# KiCad board virgo-keyboard-test.kicad_pcb (continued)
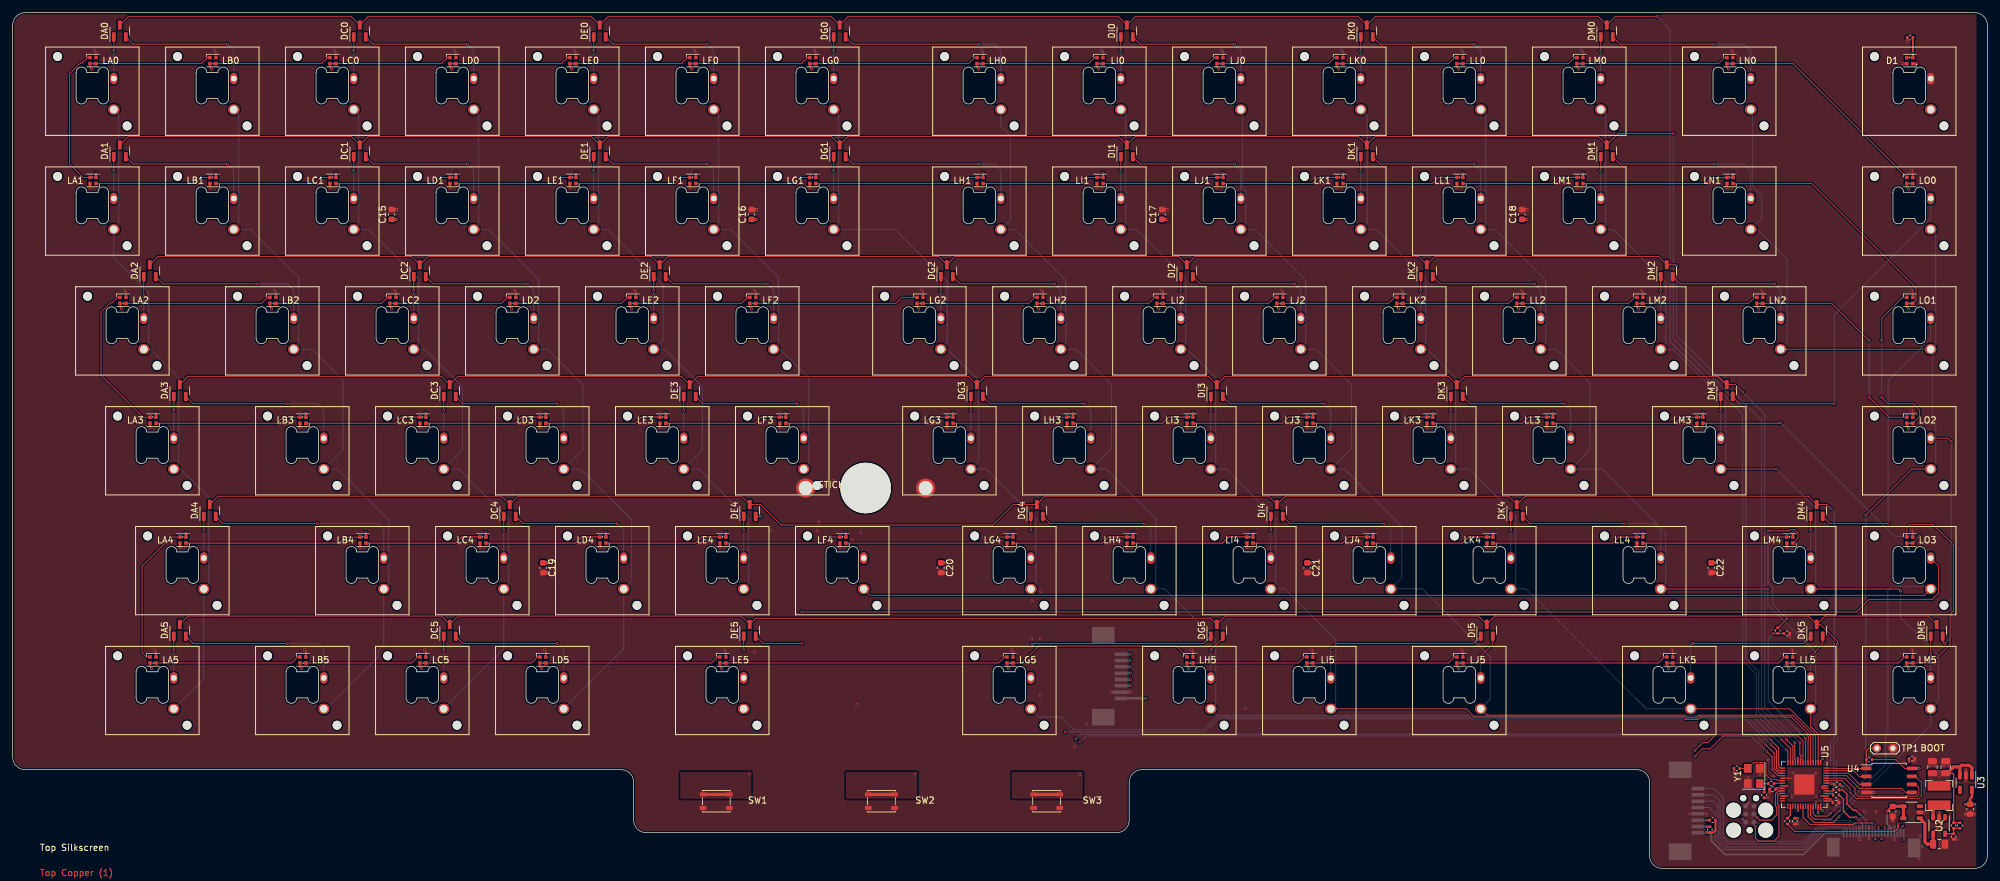
[diagram p0: board, top side]
## Nets
+3V3: C1.1 C2.1 C3.1 C14.1 J1.1 R4.1 U3.5 U4.8 U5.1 U5.10 U5.22 U5.26 U5.33 U5.42 U5.43 U5.44 U5.48 U5.49
+3V6: C11.1 C12.1 C13.1 C15.1 C16.1 C17.1 C18.1 C19.1 C20.1 C21.1 C22.1 L1.2 LA0.2 LA1.2 LA2.2 LA3.2 LA4.2 LA5.2 LB0.2 LB1.2 LB2.2 LB3.2 LB4.2 LB5.2 LC0.2 LC1.2 LC2.2 LC3.2 LC4.2 LC5.2 LD0.2 LD1.2 LD2.2 LD3.2 LD4.2 LD5.2 LE0.2 LE1.2 LE2.2 LE3.2 LE4.2 LE5.2 LF0.2 LF1.2 LF2.2 LF3.2 LF4.2 LG0.2 LG1.2 LG2.2 LG3.2 LG4.2 LG5.2 LH0.2 LH1.2 LH2.2 LH3.2 LH4.2 LH5.2 LI0.2 LI1.2 LI2.2 LI3.2 LI4.2 LI5.2 LJ0.2 LJ1.2 LJ2.2 LJ3.2 LJ4.2 LJ5.2 LK0.2 LK1.2 LK2.2 LK3.2 LK4.2 LK5.2 LL0.2 LL1.2 LL2.2 LL3.2 LL4.2 LL5.2 LM0.2 LM1.2 LM2.2 LM3.2 LM4.2 LM5.2 LN0.2 LN1.2 LN2.2 LO0.2 LO1.2 LO2.2 LO3.2 R1.1 U3.1 U3.3
GND: C1.2 C2.2 C3.2 C4.1 C5.1 C6.2 C7.2 C8.1 C9.2 C10.2 C12.2 C13.2 C14.2 C15.2 C16.2 C17.2 C18.2 C19.2 C20.2 C21.2 C22.2 D1.4 J1.5 J2.4 J2.12 J2.15 J2.MP J3.2 J3.MP J4.4 J4.MP LA0.4 LA1.4 LA2.4 LA3.4 LA4.4 LA5.4 LB0.4 LB1.4 LB2.4 LB3.4 LB4.4 LB5.4 LC0.4 LC1.4 LC2.4 LC3.4 LC4.4 LC5.4 LD0.4 LD1.4 LD2.4 LD3.4 LD4.4 LD5.4 LE0.4 LE1.4 LE2.4 LE3.4 LE4.4 LE5.4 LF0.4 LF1.4 LF2.4 LF3.4 LF4.4 LG0.4 LG1.4 LG2.4 LG3.4 LG4.4 LG5.4 LH0.4 LH1.4 LH2.4 LH3.4 LH4.4 LH5.4 LI0.4 LI1.4 LI2.4 LI3.4 LI4.4 LI5.4 LJ0.4 LJ1.4 LJ2.4 LJ3.4 LJ4.4 LJ5.4 LK0.4 LK1.4 LK2.4 LK3.4 LK4.4 LK5.4 LL0.4 LL1.4 LL2.4 LL3.4 LL4.4 LL5.4 LM0.4 LM1.4 LM2.4 LM3.4 LM4.4 LM5.4 LN0.4 LN1.4 LN2.4 LO0.4 LO1.4 LO2.4 LO3.4 R2.2 R10.2 STICK1.1 SW1.1 SW2.1 SW3.1 SWPWR1.2 TP1.1 U1.2 U2.2 U3.2 U4.4 U5.19 U5.57 Y1.2 Y1.4
VBUS: C9.1 J2.5 J2.6 U1.4 U1.5
VCC: C10.1 U1.1 U2.1 U2.4
/D+: J2.13 R5.1
/D-: J2.14 R6.1
/DR+: R5.2 U5.47
/DR-: R6.2 U5.46
/GPIO23: J2.11 U5.35
/LEFT: J3.3 SW1.2
/MIDDLE: J3.4 SW2.2
/PLED_DIN: D1.1 J2.2
/PLED_VDD: C8.2 D1.2 J2.1
/power/FB3V6: C11.2 R1.2 R2.1 U2.5
/power/SW3V6: L1.1 U2.3
/PS2_5V: J2.10 J3.8
/PS2_CLK: J2.7 J3.1
/PS2_DATA: J2.9 J3.7
/PS2_RST: J2.8 J3.6
/QD0: U4.5 U5.53
/QD1: U4.2 U5.55
/QD2: U4.3 U5.54
/QD3: U4.7 U5.51
/QSCK: U4.6 U5.52
/RIGHT: J3.5 SW3.2
/SWCLK: J1.4 U5.24
/SWDIO: J1.2 U5.25
/TP_3V3: J2.20 J4.1 R8.1 R9.1
/TP_INT: J2.17 J4.7
/TP_LID: J2.16 J4.8
/TP_PS2CLK: J4.2 R8.2
/TP_PS2DAT: J4.3 R9.2
/TP_SCL: J2.18 J4.6
/TP_SDA: J2.19 J4.5
/VCORE: C4.2 C5.2 U5.23 U5.45 U5.50
/XIN: C6.1 U5.20 Y1.3
/XOUT: C7.1 R3.2 Y1.1
/XOUT1: R3.1 U5.21
/~{POWER}: J2.3 R7.2 SWPWR1.1
/~{QCS}: R4.2 TP1.2 U4.1 U5.56
COLA: SWA0.1 SWA1.1 SWA2.1 SWA3.1 SWA4.1 SWA5.1 U5.8
COLB: SWB0.1 SWB1.1 SWB2.1 SWB3.1 SWB4.1 SWB5.1 U5.6
COLC: SWC0.1 SWC1.1 SWC2.1 SWC3.1 SWC4.1 SWC5.1 U5.18
COLD: SWD0.1 SWD1.1 SWD2.1 SWD3.1 SWD4.1 SWD5.1 U5.17
COLE: SWE0.1 SWE1.1 SWE2.1 SWE3.1 SWE4.1 SWE5.1 U5.16
COLF: SWF0.1 SWF1.1 SWF2.1 SWF3.1 SWF4.1 SWF5.1 U5.38
COLG: SWG0.1 SWG1.1 SWG2.1 SWG3.1 SWG4.1 SWG5.1 U5.15
COLH: SWH0.1 SWH1.1 SWH2.1 SWH3.1 SWH4.1 SWH5.1 U5.14
COLI: SWI0.1 SWI1.1 SWI2.1 SWI3.1 SWI4.1 SWI5.1 U5.5
COLJ: SWJ0.1 SWJ1.1 SWJ2.1 SWJ3.1 SWJ4.1 SWJ5.1 U5.4
COLK: SWK0.1 SWK1.1 SWK2.1 SWK3.1 SWK4.1 SWK5.1 U5.3
COLL: SWL0.1 SWL1.1 SWL2.1 SWL3.1 SWL4.1 SWL5.1 U5.2
COLM: SWM0.1 SWM1.1 SWM2.1 SWM3.1 SWM4.1 SWM5.1 U5.37
COLN: SWN0.1 SWN1.1 SWN2.1 SWN3.1 SWN4.1 SWN5.1 U5.39
LED: R10.1 R27.2 U5.7
ROW0: DA0.3 DC0.3 DE0.3 DG0.3 DI0.3 DK0.3 DM0.3 U5.13
ROW1: DA1.3 DC1.3 DE1.3 DG1.3 DI1.3 DK1.3 DM1.3 U5.12
ROW2: DA2.3 DC2.3 DE2.3 DG2.3 DI2.3 DK2.3 DM2.3 U5.11
ROW3: DA3.3 DC3.3 DE3.3 DG3.3 DI3.3 DK3.3 DM3.3 U5.9
ROW4: DA4.3 DC4.3 DE4.3 DG4.3 DI4.3 DK4.3 DM4.3 U5.40
ROW5: DA5.3 DC5.3 DE5.3 DG5.3 DI5.3 DK5.3 DM5.3 U5.41
Net-(DA0-A-Pad1): DA0.1 SWA0.2
Net-(DA0-A-Pad2): DA0.2 SWB0.2
Net-(DA1-A-Pad1): DA1.1 SWA1.2
Net-(DA1-A-Pad2): DA1.2 SWB1.2
Net-(DA2-A-Pad1): DA2.1 SWA2.2
Net-(DA2-A-Pad2): DA2.2 SWB2.2
Net-(DA3-A-Pad1): DA3.1 SWA3.2
Net-(DA3-A-Pad2): DA3.2 SWB3.2
Net-(DA4-A-Pad1): DA4.1 SWA4.2
Net-(DA4-A-Pad2): DA4.2 SWB4.2
Net-(DA5-A-Pad1): DA5.1 SWA5.2
Net-(DA5-A-Pad2): DA5.2 SWB5.2
Net-(DC0-A-Pad1): DC0.1 SWC0.2
Net-(DC0-A-Pad2): DC0.2 SWD0.2
Net-(DC1-A-Pad1): DC1.1 SWC1.2
Net-(DC1-A-Pad2): DC1.2 SWD1.2
Net-(DC2-A-Pad1): DC2.1 SWC2.2
Net-(DC2-A-Pad2): DC2.2 SWD2.2
Net-(DC3-A-Pad1): DC3.1 SWC3.2
Net-(DC3-A-Pad2): DC3.2 SWD3.2
Net-(DC4-A-Pad1): DC4.1 SWC4.2
Net-(DC4-A-Pad2): DC4.2 SWD4.2
Net-(DC5-A-Pad1): DC5.1 SWC5.2
Net-(DC5-A-Pad2): DC5.2 SWD5.2
Net-(DE0-A-Pad1): DE0.1 SWE0.2
Net-(DE0-A-Pad2): DE0.2 SWF0.2
Net-(DE1-A-Pad1): DE1.1 SWE1.2
Net-(DE1-A-Pad2): DE1.2 SWF1.2
Net-(DE2-A-Pad1): DE2.1 SWE2.2
Net-(DE2-A-Pad2): DE2.2 SWF2.2
Net-(DE3-A-Pad1): DE3.1 SWE3.2
Net-(DE3-A-Pad2): DE3.2 SWF3.2
Net-(DE4-A-Pad1): DE4.1 SWE4.2
Net-(DE4-A-Pad2): DE4.2 SWF4.2
Net-(DE5-A-Pad1): DE5.1 SWE5.2
Net-(DE5-A-Pad2): DE5.2 SWF5.2
Net-(DG0-A-Pad1): DG0.1 SWG0.2
Net-(DG0-A-Pad2): DG0.2 SWH0.2
Net-(DG1-A-Pad1): DG1.1 SWG1.2
Net-(DG1-A-Pad2): DG1.2 SWH1.2
Net-(DG2-A-Pad1): DG2.1 SWG2.2
Net-(DG2-A-Pad2): DG2.2 SWH2.2
Net-(DG3-A-Pad1): DG3.1 SWG3.2
Net-(DG3-A-Pad2): DG3.2 SWH3.2
Net-(DG4-A-Pad1): DG4.1 SWG4.2
Net-(DG4-A-Pad2): DG4.2 SWH4.2
Net-(DG5-A-Pad1): DG5.1 SWG5.2
Net-(DG5-A-Pad2): DG5.2 SWH5.2
Net-(DI0-A-Pad1): DI0.1 SWI0.2
Net-(DI0-A-Pad2): DI0.2 SWJ0.2
Net-(DI1-A-Pad1): DI1.1 SWI1.2
Net-(DI1-A-Pad2): DI1.2 SWJ1.2
Net-(DI2-A-Pad1): DI2.1 SWI2.2
Net-(DI2-A-Pad2): DI2.2 SWJ2.2
Net-(DI3-A-Pad1): DI3.1 SWI3.2
Net-(DI3-A-Pad2): DI3.2 SWJ3.2
Net-(DI4-A-Pad1): DI4.1 SWI4.2
Net-(DI4-A-Pad2): DI4.2 SWJ4.2
Net-(DI5-A-Pad1): DI5.1 SWI5.2
Net-(DI5-A-Pad2): DI5.2 SWJ5.2
Net-(DK0-A-Pad1): DK0.1 SWK0.2
Net-(DK0-A-Pad2): DK0.2 SWL0.2
Net-(DK1-A-Pad1): DK1.1 SWK1.2
Net-(DK1-A-Pad2): DK1.2 SWL1.2
Net-(DK2-A-Pad1): DK2.1 SWK2.2
Net-(DK2-A-Pad2): DK2.2 SWL2.2
Net-(DK3-A-Pad1): DK3.1 SWK3.2
Net-(DK3-A-Pad2): DK3.2 SWL3.2
Net-(DK4-A-Pad1): DK4.1 SWK4.2
Net-(DK4-A-Pad2): DK4.2 SWL4.2
Net-(DK5-A-Pad1): DK5.1 SWK5.2
Net-(DK5-A-Pad2): DK5.2 SWL5.2
Net-(DM0-A-Pad1): DM0.1 SWM0.2
Net-(DM0-A-Pad2): DM0.2 SWN0.2
Net-(DM1-A-Pad1): DM1.1 SWM1.2
Net-(DM1-A-Pad2): DM1.2 SWN1.2
Net-(DM2-A-Pad1): DM2.1 SWM2.2
Net-(DM2-A-Pad2): DM2.2 SWN2.2
Net-(DM3-A-Pad1): DM3.1 SWM3.2
Net-(DM3-A-Pad2): DM3.2 SWN3.2
Net-(DM4-A-Pad1): DM4.1 SWM4.2
Net-(DM4-A-Pad2): DM4.2 SWN4.2
Net-(DM5-A-Pad1): DM5.1 SWM5.2
Net-(DM5-A-Pad2): DM5.2 SWN5.2
Net-(LA0-DIN): LA0.1 LA1.3
Net-(LA0-DOUT): LA0.3 LB0.1
Net-(LA1-DIN): LA1.1 LB1.3
Net-(LA2-DIN): LA2.1 LA3.3
Net-(LA2-DOUT): LA2.3 LB2.1
Net-(LA3-DIN): LA3.1 LB3.3
Net-(LA4-DIN): LA4.1 LB4.3
Net-(LA4-DOUT): LA4.3 LA5.1
Net-(LA5-DOUT): LA5.3 LB5.1
Net-(LB0-DOUT): LB0.3 LC0.1
Net-(LB1-DIN): LB1.1 LC1.3
Net-(LB2-DOUT): LB2.3 LC2.1
Net-(LB3-DIN): LB3.1 LC3.3
Net-(LB4-DIN): LB4.1 LC4.3
Net-(LB5-DOUT): LB5.3 LC5.1
Net-(LC0-DOUT): LC0.3 LD0.1
Net-(LC1-DIN): LC1.1 LD1.3
Net-(LC2-DOUT): LC2.3 LD2.1
Net-(LC3-DIN): LC3.1 LD3.3
Net-(LC4-DIN): LC4.1 LD4.3
Net-(LC5-DOUT): LC5.3 LD5.1
Net-(LD0-DOUT): LD0.3 LE0.1
Net-(LD1-DIN): LD1.1 LE1.3
Net-(LD2-DOUT): LD2.3 LE2.1
Net-(LD3-DIN): LD3.1 LE3.3
Net-(LD4-DIN): LD4.1 LE4.3
Net-(LD5-DOUT): LD5.3 LE5.1
Net-(LE0-DOUT): LE0.3 LF0.1
Net-(LE1-DIN): LE1.1 LF1.3
Net-(LE2-DOUT): LE2.3 LF2.1
Net-(LE3-DIN): LE3.1 LF3.3
Net-(LE4-DIN): LE4.1 LF4.3
Net-(LE5-DOUT): LE5.3 LG5.1
Net-(LF0-DOUT): LF0.3 LG0.1
Net-(LF1-DIN): LF1.1 LG1.3
Net-(LF2-DOUT): LF2.3 LG2.1
Net-(LF3-DIN): LF3.1 LG3.3
Net-(LF4-DIN): LF4.1 LG4.3
Net-(LG0-DOUT): LG0.3 LH0.1
Net-(LG1-DIN): LG1.1 LH1.3
Net-(LG2-DOUT): LG2.3 LH2.1
Net-(LG3-DIN): LG3.1 LH3.3
Net-(LG4-DIN): LG4.1 LH4.3
Net-(LG5-DOUT): LG5.3 LH5.1
Net-(LH0-DOUT): LH0.3 LI0.1
Net-(LH1-DIN): LH1.1 LI1.3
Net-(LH2-DOUT): LH2.3 LI2.1
Net-(LH3-DIN): LH3.1 LI3.3
Net-(LH4-DIN): LH4.1 LI4.3
Net-(LH5-DOUT): LH5.3 LI5.1
Net-(LI0-DOUT): LI0.3 LJ0.1
Net-(LI1-DIN): LI1.1 LJ1.3
Net-(LI2-DOUT): LI2.3 LJ2.1
Net-(LI3-DIN): LI3.1 LJ3.3
Net-(LI4-DIN): LI4.1 LJ4.3
Net-(LI5-DOUT): LI5.3 LJ5.1
Net-(LJ0-DOUT): LJ0.3 LK0.1
Net-(LJ1-DIN): LJ1.1 LK1.3
Net-(LJ2-DOUT): LJ2.3 LK2.1
Net-(LJ3-DIN): LJ3.1 LK3.3
Net-(LJ4-DIN): LJ4.1 LK4.3
Net-(LJ5-DOUT): LJ5.3 LK5.1
Net-(LK0-DOUT): LK0.3 LL0.1
Net-(LK1-DIN): LK1.1 LL1.3
Net-(LK2-DOUT): LK2.3 LL2.1
Net-(LK3-DIN): LK3.1 LL3.3
Net-(LK4-DIN): LK4.1 LL4.3
Net-(LK5-DOUT): LK5.3 LL5.1
Net-(LL0-DOUT): LL0.3 LM0.1
Net-(LL1-DIN): LL1.1 LM1.3
Net-(LL2-DOUT): LL2.3 LM2.1
Net-(LL3-DIN): LL3.1 LM3.3
Net-(LL4-DIN): LL4.1 LM4.3
Net-(LL5-DOUT): LL5.3 LM5.1
Net-(LM0-DOUT): LM0.3 LN0.1
Net-(LM1-DIN): LM1.1 LN1.3
Net-(LM2-DOUT): LM2.3 LN2.1
Net-(LM3-DIN): LM3.1 LO3.3
Net-(LM4-DIN): LM4.1 R27.1
Net-(LM5-DOUT): LM5.3 LO3.1
Net-(LN0-DOUT): LN0.3 LO0.1
Net-(LN1-DIN): LN1.1 LO1.3
Net-(LN2-DOUT): LN2.3 LO2.1
Net-(LO1-DIN): LO1.1 LO2.3
Net-(U5-GPIO19): R7.1 U5.30

Pads without a net: D1 3; J1 3 6; LO0 3; U1 3; U3 4; U5 27 28 29 31 32 34 36

## Via types
v1: diameter 0.4, hole 0.25, Top to Bottom, 97 vias
v2: diameter 0.45, hole 0.3, Top to Bottom, 326 vias
v3: diameter 0.5, hole 0.3, Top to Bottom, 1 via

## Routing (per net, layer and track width the routed paths; a pad name or vN(x,y) marks a point on that pad's centre or on a via; arc(x,y) is an arc through that point)
+3V3: length 22.1
  Top w0.127: U4.8 299.66,15.85 298.26,17.25 R4.1
  Top w0.15: v1(286.61,17.35) 286.33,17.07 U5.1
  Top w0.2: U5.48 286.61,12.69 v1(286.46,12.84) 286.71,13.09 U5.49 ; v1(287.96,10.85) 287.76,10.65 287.16,10.65 ; v1(287.96,10.85) 288.26,10.55 C2.1 ; v1(287.96,10.85) 287.76,11.05 287.16,11.05 ; 286.32,9.81 286.32,9.44 v1(286.61,9.15) ; U5.10 v1(282.73,17.49) ; U5.22 v1(281.06,13.09) ; U5.33 v1(282.73,9.14) ; U5.26 v1(281.03,11.49)
  Top w0.3: C3.1 v1(282.73,7.94) ; C1.1 v1(300.33,16.89)
  Top w0.4: U3.5 310.28,11.34 309.98,11.04 C14.1 ; C14.1 v1(309.2,10.17) ; C14.1 v1(310.75,10.17)
  Top w0.5: v2(301.88,15.84) 301.56,15.85 U4.8
  Bottom w0.3: v1(273.93,7.84) 274.44,7.33 J1.1
+3V6: length 95.5
  Top w0.127: LE5.2 112,31.95 v2(112.28,31.67) ; v2(271.75,126.67) 271.47,126.95 LN0.2 ; v2(300.25,69.67) 299.97,69.95 LO2.2 ; v2(300.25,50.67) 299.97,50.95 LO3.2 ; v2(22.03,31.67) 21.75,31.95 LA5.2 ; v2(181.5,88.67) 181.22,88.95 LI2.2 ; v2(162.5,88.67) 162.22,88.95 LH2.2 ; LO0.2 299.97,107.95 v2(300.25,107.67) ; LG0.2 126.25,126.95 v2(126.53,126.67) ; v2(281.25,31.67) 280.97,31.95 LL5.2 ; v2(276.5,88.67) 276.22,88.95 LN2.2 ; v2(300.25,88.67) 299.97,88.95 LO1.2 ; LC0.2 50.25,126.95 v2(50.53,126.67) ; LJ5.2 228.72,31.95 v2(229,31.67) ; LE2.2 97.75,88.95 v2(98.03,88.67) ; v2(60.03,88.67) 59.75,88.95 LC2.2 ; LM5.2 299.97,31.95 v2(300.25,31.67) ; v2(157.75,31.67) 157.47,31.95 LG5.2 ; LL0.2 228.72,126.95 v2(229,126.67) ; LH0.2 152.72,126.95 v2(153,126.67) ; LG2.2 143.22,88.95 v2(143.5,88.67) ; LD0.2 69.25,126.95 v2(69.53,126.67) ; v2(210,126.67) 209.72,126.95 LK0.2 ; LK2.2 219.22,88.95 v2(219.5,88.67) ; v2(262.25,31.67) 261.97,31.95 LK5.2 ; LL2.2 238.22,88.95 v2(238.5,88.67) ; LB5.2 45.5,31.95 v2(45.78,31.67) ; LE0.2 88.25,126.95 v2(88.53,126.67) ; LA2.2 17,88.95 v2(17.28,88.67) ; v2(41.03,88.67) 40.75,88.95 LB2.2 ; v2(172,126.67) 171.72,126.95 LI0.2 ; LM2.2 257.22,88.95 v2(257.5,88.67) ; LF0.2 107.25,126.95 v2(107.53,126.67) ; v2(205.25,31.67) 204.97,31.95 LI5.2 ; v2(248,126.67) 247.72,126.95 LM0.2 ; v2(186.25,31.67) 185.97,31.95 LH5.2 ; LB0.2 31.25,126.95 v2(31.53,126.67) ; LF2.2 116.75,88.95 v2(117.03,88.67) ; LJ0.2 190.72,126.95 v2(191,126.67) ; v2(200.5,88.67) 200.22,88.95 LJ2.2 ; LC5.2 64.5,31.95 v2(64.78,31.67) ; LD5.2 83.5,31.95 v2(83.78,31.67) ; v2(12.53,126.67) 12.25,126.95 LA0.2 ; v2(79.03,88.67) 78.75,88.95 LD2.2
  Top w0.2: C12.1 307.18,15.09 307.38,14.89 C11.1 R1.1
  Top w0.3: LM4.2 v2(281.92,53.19) ; LJ3.2 v2(205.92,72.19) ; LE3.2 v2(103.45,72.19) ; LB1.2 v2(32.2,110.19) ; LJ4.2 v2(215.42,53.19) ; LH3.2 v2(167.92,72.19) ; LG3.2 v2(148.92,72.19) ; 258.17,52.52 v2(258.17,53.19) ; LF3.2 v2(122.45,72.19) ; LL1.2 v2(229.67,110.19) ; LC4.2 v2(74.95,53.19) ; LN1.2 v2(272.42,110.19) ; LD3.2 v2(84.45,72.19) ; LB4.2 v2(55.95,53.19) ; LC1.2 v2(51.2,110.19) ; LA3.2 v2(22.7,72.19) ; LL3.2 v2(243.92,72.19) ; LD4.2 v2(93.95,53.19) ; LD1.2 v2(70.2,110.19) ; LE4.2 v2(112.95,53.19) ; LF1.2 v2(108.2,110.19) ; LI4.2 v2(196.42,53.19) ; LK3.2 v2(224.92,72.19) ; 267.67,71.52 v2(267.67,72.19) ; LK1.2 v2(210.67,110.19) ; LE1.2 v2(89.2,110.19) ; LB3.2 v2(46.45,72.19) ; LC3.2 v2(65.45,72.19) ; LF4.2 v2(131.95,53.19) ; LA4.2 v2(27.45,53.19) ; 248.67,109.52 v2(248.67,110.19) ; LG1.2 v2(127.2,110.19) ; LI3.2 v2(186.92,72.19) ; LG4.2 v2(158.42,53.19) ; LA1.2 v2(13.2,110.19) ; LK4.2 v2(234.42,53.19) ; LH1.2 v2(153.67,110.19) ; LJ1.2 v2(191.67,110.19) ; LI1.2 v2(172.67,110.19) ; LH4.2 v2(177.42,53.19)
  Top w0.5: C15.1 v2(60.8,102.88) ; C20.1 v2(147.8,48.43) ; 308.38,16.09 307.38,16.09 306.38,15.09 C12.1 ; 308.38,16.09 308.62,16.34 309.88,16.34 310.28,15.94 U3.1 ; 308.38,16.09 U3.3 ; C21.1 v2(205.8,48.43) ; C22.1 v2(269.8,48.43) ; C16.1 v2(117.8,102.88) ; C18.1 v2(239.8,102.88) ; C19.1 v2(84.8,48.43) ; C17.1 v2(182.8,102.88)
  vias: v2(305.08,15.29) v2(305.08,14.69)
GND: length 105.5
  Top w0.127: LC5.4 65.45,34.45 v2(65.25,34.65) ; LF2.4 117.7,91.45 v2(117.5,91.65) ; v2(186.72,34.65) 186.92,34.45 LH5.4 ; LC2.4 60.7,91.45 v2(60.5,91.65) ; v2(300.72,53.65) 300.92,53.45 LO3.4 ; LN0.4 272.42,129.45 v2(272.22,129.65) ; v2(127,129.65) 127.2,129.45 LG0.4 ; 258.17,90.52 258.17,91.45 v2(257.97,91.65) ; LO0.4 300.92,110.45 v2(300.72,110.65) ; LL5.4 281.92,34.45 v2(281.72,34.65) ; v2(205.72,34.65) 205.92,34.45 LI5.4 ; LA0.4 13.2,129.45 v2(13,129.65) ; LF0.4 108.2,129.45 v2(108,129.65) ; v2(89,129.65) 89.2,129.45 LE0.4 ; v2(98.5,91.65) 98.7,91.45 LE2.4 ; LB2.4 41.7,91.45 v2(41.5,91.65) ; LE5.4 112.95,34.45 v2(112.75,34.65) ; LJ5.4 229.67,34.45 v2(229.47,34.65) ; LD5.4 84.45,34.45 v2(84.25,34.65) ; v2(300.72,72.65) 300.92,72.45 LO2.4 ; v2(143.97,91.65) 144.17,91.45 LG2.4 ; LI2.4 182.17,91.45 v2(181.97,91.65) ; v2(70,129.65) 70.2,129.45 LD0.4 ; v2(158.22,34.65) 158.42,34.45 LG5.4 ; v2(79.5,91.65) 79.7,91.45 LD2.4 ; v2(162.97,91.65) 163.17,91.45 LH2.4 ; v2(262.72,34.65) 262.92,34.45 LK5.4 ; v2(248.47,129.65) 248.67,129.45 248.67,128.52 ; v2(153.47,129.65) 153.67,129.45 LH0.4 ; LA2.4 17.95,91.45 v2(17.75,91.65) ; LI0.4 172.67,129.45 v2(172.47,129.65) ; LK0.4 210.67,129.45 v2(210.47,129.65) ; LM5.4 300.92,34.45 v2(300.72,34.65) ; LK2.4 220.17,91.45 v2(219.97,91.65) ; v2(46.25,34.65) 46.45,34.45 LB5.4 ; LJ2.4 201.17,91.45 v2(200.97,91.65) ; v2(51,129.65) 51.2,129.45 LC0.4 ; LA5.4 22.7,34.45 v2(22.5,34.65) ; v2(300.72,91.65) 300.92,91.45 LO1.4 ; LL2.4 239.17,91.45 v2(238.97,91.65) ; v2(32,129.65) 32.2,129.45 LB0.4 ; LL0.4 229.67,129.45 v2(229.47,129.65) ; v2(276.97,91.65) 277.17,91.45 277.17,90.52 ; v2(191.47,129.65) 191.67,129.45 LJ0.4
  Top w0.15: C7.2 v1(277.98,11.19) ; C6.2 v1(272.58,15.29) ; U5.19 281.83,14.29 ; R10.2 v1(281.43,36.69)
  Top w0.2: R2.2 v1(307.93,4.59) ; C5.1 289.71,12.95 v1(289.78,12.95) ; C2.2 289.16,10.66 v1(288.93,10.89)
  Top w0.3: v2(185.97,69.95) LI3.4 ; v2(112,50.95) LE4.4 ; v2(93,50.95) LD4.4 ; v2(45.5,69.95) LB3.4 ; v2(257.22,50.95) LL4.4 ; v2(55,50.95) LB4.4 ; v2(131,50.95) LF4.4 ; v2(126.25,107.95) LG1.4 ; C1.2 v1(301.23,16.89) ; v2(147.97,69.95) LG3.4 ; v2(214.47,50.95) LJ4.4 ; v2(88.25,107.95) LE1.4 ; v2(280.97,50.95) LM4.4 ; C3.2 v1(282.73,7.04) ; C8.1 v2(300.03,130.99) ; v2(271.47,107.95) LN1.4 ; v2(12.25,107.95) LA1.4 ; v2(102.5,69.95) LE3.4 ; v2(195.47,50.95) LI4.4 ; v2(69.25,107.95) LD1.4 ; v2(157.47,50.95) LG4.4 ; v2(121.5,69.95) LF3.4 ; v2(171.72,107.95) LI1.4 ; v2(228.72,107.95) LL1.4 ; v2(64.5,69.95) LC3.4 ; v2(152.72,107.95) LH1.4 ; v2(223.97,69.95) LK3.4 ; v2(209.72,107.95) LK1.4 ; v2(26.5,50.95) LA4.4 ; D1.4 v2(299.27,127.57) ; v2(176.47,50.95) LH4.4 ; v2(204.97,69.95) LJ3.4 ; v2(31.25,107.95) LB1.4 ; v2(266.72,69.95) LM3.4 ; v2(166.97,69.95) LH3.4 ; v2(50.25,107.95) LC1.4 ; v2(190.72,107.95) LJ1.4 ; v2(107.25,107.95) LF1.4 ; v2(83.5,69.95) LD3.4 ; v2(247.72,107.95) LM1.4 ; v2(74,50.95) LC4.4 ; v2(21.75,69.95) LA3.4 ; v2(242.97,69.95) LL3.4 ; v2(233.47,50.95) LK4.4
  Top w0.4: v1(309.2,8.62) C14.2 v1(310.75,8.62) ; C4.1 v1(278.26,12.09)
  Top w0.5: C19.2 v2(84.8,46.88) ; C18.2 v2(239.8,104.43) ; C9.2 v1(297.73,7.54) ; C16.2 v2(117.8,104.43) ; C20.2 v2(147.8,46.88) ; C17.2 v2(182.8,104.43) ; C22.2 v2(269.8,46.88) ; v1(294.68,12.05) U4.4 ; C15.2 v2(60.8,104.43) ; C21.2 v2(205.8,46.88)
  Bottom w0.3: v1(297.98,6.59) J2.4 v1(297.98,4.54) ; v1(293.98,4.69) J2.12 v1(293.98,6.59) ; v1(292.48,4.54) J2.15 v1(292.48,6.59) ; v1(274.98,10.39) 274.45,9.86 J1.5
  Bottom w0.5: v2(176.97,27.94) v2(174.07,27.94)
  vias: v1(265.58,8.64) v1(268.18,8.64) v1(274.81,14.45) v1(276.68,14.84) v1(278.03,17.14) v1(278.83,14.64) v1(281.86,11.4) v1(281.91,15.15) v1(285.56,15.1) v1(285.56,11.4) v1(293.28,9.04) v1(295.08,9.04) v1(301.93,1.49) v1(302.03,5.19) v1(302.38,3.49) v1(302.78,8.89) v1(303.62,16.24) v1(304.38,16.24) v1(305.08,8.89) v1(305.08,7.34) v1(305.28,4.39) v1(305.28,3.84) v1(305.28,3.29) v1(305.83,16.24) v1(306.58,16.24) v1(309.33,15.69) v1(309.33,13.84) v2(117.47,34.34) v2(120.03,53.54) v2(127.42,53.54) v2(127.67,54.89) v2(128.72,60.79) v2(129.92,61.49) v2(132.97,52.09) v2(133.72,25.99) v2(134.28,53.19) v2(161.32,36.39) v2(161.42,42.39) v2(162.72,36.44) v2(162.72,27.49) v2(162.88,43.89) v2(168.17,19.34) v2(170.07,22.89) v2(195.22,25.29)
VBUS: length 9.7
  Top w0.3: C9.1 297.6,9.82 v3(296.83,9.04)
  Top w0.5: C9.1 297.75,9.84 U1.4 U1.5
  Bottom w0.3: 297.28,6.59 296.98,6.29 J2.6 ; 297.28,6.59 297.48,6.39 J2.5 ; 297.28,6.59 296.83,7.04 v3(296.83,9.04)
VCC: length 10.6
  Top w0.2: U2.4 304.12,5.69 305.58,7.14 305.58,7.34 306.03,7.79 U2.1
  Top w0.5: U2.4 C10.1 303.18,3.84 302.83,4.19 302.83,7.14 U1.1
/D+: length 9.2
  Top w0.2: R5.1 289.82,12.45 290.48,11.79 290.48,10.24 291.49,9.23 291.89,9.23 v1(292.62,8.49)
  Bottom w0.2: J2.13 293.48,7.64 v1(292.62,8.49)
/D-: length 8.2
  Top w0.2: v1(291.89,8.09) 290.93,8.09 289.93,9.09 289.93,10.93 R6.1
  Bottom w0.2: v1(291.89,8.09) 292.98,7.01 J2.14
/DR+: length 1.2
  Top w0.127: 287.16,12.25 288.11,12.25 R5.2
/DR-: length 1.2
  Top w0.127: R6.2 288.11,11.85 287.16,11.85
/GPIO23: length 14.9
  Top w0.15: v1(294.48,7.19) 291.78,7.19 291.53,6.94 284.68,6.94 283.53,8.09 U5.35
  Bottom w0.15: v1(294.48,7.19) J2.11
/LEFT: length 73.3
  Top w0.5: SW1.2 SW1.2
  In1.Cu w0.15: v2(176.97,28.94) 177.53,28.39 177.53,27.44 165.88,15.79 117.47,15.79 v2(116.67,14.99)
  Bottom w0.45: J3.3 v2(176.97,28.94)
/MIDDLE: length 48.7
  Top w0.5: 135.51,11.72 SW2.2
  In1.Cu w0.15: v2(176.97,29.94) 177.88,29.04 177.88,27.24 166.07,15.44 143.38,15.44 v2(142.92,14.99)
  Bottom w0.45: J3.4 v2(176.97,29.94)
/PLED_DIN: length 149.4
  Top w0.3: D1.1 v2(301.62,127.57)
  In1.Cu w0.15: v1(299.33,6.69) 300.33,5.69 300.33,3.39 301.73,1.99 309.03,1.99 311.88,4.84 311.88,123.14 307.45,127.57 v2(301.62,127.57)
  Bottom w0.15: J2.2 298.98,6.34 v1(299.33,6.69)
/PLED_VDD: length 153.7
  Top w0.3: D1.2 300.93,128.52 C8.2
  In1.Cu w0.15: v2(300.93,129.29) 306.23,129.29 312.23,123.29 312.23,4.39 308.73,0.89 301.33,0.89 299.48,2.74 v1(299.48,4.54)
  Bottom w0.3: J2.1 v1(299.48,4.54)
/power/FB3V6: length 3.2
  Top w0.2: U2.5 R2.1 C11.2 R1.2
/power/SW3V6: length 1.7
  Top w0.5: U2.3 304.12,9.79
/PS2_5V: length 146.3
  In1.Cu w0.5: v1(294.98,4.69) 292.73,2.44 269.98,2.44 267.53,4.89 267.53,15.49 268.7,16.67 268.7,19.82 264.53,23.99 184.22,23.99 182.12,26.09 182.12,28.79 v2(176.97,33.94)
  Bottom w0.15: J2.10 v1(294.98,4.69)
  Bottom w0.45: J3.8 v2(176.97,33.94)
/PS2_CLK: length 147.7
  In1.Cu w0.15: v2(179.47,26.94) 185.57,20.84 265.53,20.84 267.18,19.19 267.18,17.09 266.28,16.19 266.28,4.24 269.62,0.89 295.48,0.89 296.48,1.89 v1(296.48,6.49)
  Bottom w0.15: J2.7 v1(296.48,6.49)
  Bottom w0.45: J3.1 v2(179.47,26.94)
/PS2_DATA: length 148.6
  In1.Cu w0.15: v2(176.97,32.94) 181.62,28.29 181.62,25.89 185.97,21.54 266.18,21.54 268.03,19.69 268.03,16.74 266.98,15.69 266.98,4.69 269.78,1.89 293.03,1.89 295.48,4.34 v1(295.48,6.49)
  Bottom w0.15: J2.9 v1(295.48,6.49)
  Bottom w0.45: J3.7 v2(176.97,32.94)
/PS2_RST: length 148.3
  In1.Cu w0.15: v1(295.98,4.69) 295.98,1.99 295.43,1.44 269.68,1.44 266.62,4.49 266.62,15.89 267.62,16.89 267.62,19.54 265.98,21.19 185.82,21.19 180.05,26.97 180.05,28.87 v2(176.97,31.94)
  Bottom w0.15: J2.8 v1(295.98,4.69)
  Bottom w0.45: J3.6 v2(176.97,31.94)
/QD0: length 14.7
  Top w0.127: U5.53 290.43,14.69 292.48,12.65 299.16,12.65 299.77,12.04 U4.5
/QD1: length 6.8
  Top w0.127: 293.56,14.58 292.43,14.58 291.51,15.49 U5.55
/QD2: length 7.1
  Top w0.127: U4.3 292.5,13.31 290.71,15.09 U5.54
/QD3: length 20.9
  Top w0.127: U5.51 289.71,13.89 290.96,12.65 290.96,12.05 291.96,11.05 301.81,11.05 302.26,11.5 302.26,13.7 301.38,14.58 300.76,14.58
/QSCK: length 18.8
  Top w0.127: U4.6 301.35,13.31 301.86,12.8 301.86,11.7 301.61,11.45 292.21,11.45 291.76,11.9 291.76,12.65 290.11,14.29 U5.52
/RIGHT: length 26
  Top w0.5: 165.82,11.72 SW3.2
  In1.Cu w0.15: v2(176.97,30.94) 178.22,29.69 178.22,27.04 169.03,17.84 v2(169.03,14.89)
  Bottom w0.45: J3.5 v2(176.97,30.94)
/SWCLK: length 9.1
  Top w0.15: U5.24 279.83,12.29 279.78,12.24 279.62,12.24 279.18,11.79 279.18,9.89 279.38,9.69 279.38,8.49 278.53,7.64 276.68,7.64 v1(276.23,8.09)
  Bottom w0.3: J1.4 275.73,8.59 v1(276.23,8.09)
/SWDIO: length 14.4
  Top w0.15: U5.25 279.73,11.89 279.53,11.69 279.53,10.09 279.73,9.89 279.73,5.09 278.98,4.34 276.43,4.34 275.98,4.79 v1(275.98,6.69)
  Bottom w0.3: v1(275.98,6.69) 275.71,6.96 J1.2
/TP_3V3: length 29.8
  Top w0.3: v1(268.18,5.64) 268.23,5.69 R8.1 269.38,5.69 269.68,5.99 R9.1
  Bottom w0.3: J2.20 286.98,5.59 283.58,2.19 271.18,2.19 269.03,4.34 269.03,5.29 268.68,5.64 v1(268.18,5.64) J4.1
/TP_INT: length 33.8
  Bottom w0.15: J4.7 269.43,11.64 270.38,10.69 270.38,4.99 271.48,3.89 283.68,3.89 287.03,7.24 290.78,7.24 291.48,6.54 J2.17
/TP_LID: length 34.9
  Bottom w0.15: J4.8 269.43,12.64 270.88,11.19 270.88,5.04 271.62,4.29 283.58,4.29 286.88,7.59 290.98,7.59 291.98,6.59 J2.16
/TP_PS2CLK: length 1.9
  Top w0.3: R8.2 268.23,6.59 v1(268.18,6.64)
  Bottom w0.3: J4.2 v1(268.18,6.64)
/TP_PS2DAT: length 1.9
  Top w0.3: R9.2 v1(268.18,7.64)
  Bottom w0.3: J4.3 v1(268.18,7.64)
/TP_SCL: length 32.8
  Bottom w0.15: J2.18 290.98,6.54 290.62,6.89 287.18,6.89 283.68,3.39 271.33,3.39 270.03,4.69 270.03,9.99 269.38,10.64 J4.6
/TP_SDA: length 31.2
  Bottom w0.15: J4.5 268.68,9.64 269.62,8.69 269.62,4.49 271.12,2.99 283.78,2.99 287.33,6.54 290.38,6.54 290.48,6.44 J2.19
/VCORE: length 3.3
  Top w0.2: U5.50 287.86,13.49 v1(287.91,13.44) 288.31,13.44 C5.2 ; U5.45 v1(286.41,11.49) ; U5.23 v1(279.61,12.69) 279.3,12.69 C4.2
/XIN: length 9.4
  Top w0.127: U5.20 279.59,13.89 279.41,14.08 278.44,14.08 277.68,14.84 277.68,16.6 277.48,16.8 275.73,16.8 Y1.3
  Top w0.15: C6.1 273.48,15.85 Y1.3
/XOUT: length 3
  Top w0.127: Y1.1 R3.2
  Top w0.15: C7.1 277.38,12.76 Y1.1
/XOUT1: length 1.4
  Top w0.15: R3.1 278.98,13.49 U5.21
/~{POWER}: length 159
  Top w0.15: R7.2 282.23,5.84 298.03,5.84 298.62,6.44 v1(298.62,7.09)
  In1.Cu w0.15: v1(298.62,7.09) 298.83,7.29 299.48,7.29 300.78,5.99 300.78,3.59 302.08,2.29 308.58,2.29 311.53,5.24 311.53,116.79 308.03,120.29 SWPWR1.1
  Bottom w0.15: v1(298.62,7.09) 298.48,6.94 J2.3
/~{QCS}: length 11
  Top w0.127: U5.56 288.61,15.89 288.66,15.85 U4.1 R4.2
  Top w0.15: R4.2 293.56,18.63 293.98,19.04 TP1.2
COLA: length 382.6
  Top w0.127: v1(266.43,17.79) 267.58,18.94 268.82,18.94 270.88,21 282.72,21 283.53,20.19 U5.8
  In1.Cu w0.127: SWA5.1 25.53,19.62 28.81,16.34 99.03,16.34 105.22,10.14 170.17,10.14 176.32,16.29 264.93,16.29 v1(266.43,17.79)
  Bottom w0.127: SWA5.1 30.28,30.04 SWA4.1 31.07,45.08 31.07,58.78 26.56,63.29 SWA3.1 26.32,64.08 26.32,77.78 21.81,82.29 SWA2.1 21.57,83.08 21.57,91.23 16.03,96.77 SWA1.1 16.82,102.08 16.82,119.5 SWA0.1
COLB: length 371.4
  Top w0.127: v1(266.4,18.67) 267.68,19.94 268.44,19.94 269.78,21.28 283.94,21.28 284.38,20.84 284.38,20.39 284.33,20.34 U5.6
  In1.Cu w0.127: SWB5.1 49.28,19.37 51.91,16.74 99.18,16.74 105.38,10.54 170.03,10.54 176.12,16.64 264.38,16.64 v1(266.4,18.67)
  Bottom w0.127: SWB0.1 35.82,119.5 35.82,102.08 SWB1.1 37.68,101.29 45.32,93.65 45.32,83.08 SWB2.1 47.43,82.29 52.32,77.4 52.32,66.33 SWB3.1 51.43,63.29 59.57,55.15 59.57,45.08 SWB4.1 58.78,35.39 57.87,34.49 57.87,33.55 49.61,25.29 SWB5.1
COLC: length 335.4
  Top w0.15: v1(277.78,18.54) 278.62,17.69 278.62,15.64 279.58,14.69 U5.18
  In1.Cu w0.127: v2(169.07,20.04) 166.67,20.04 165.47,21.24 88.28,21.24 84.23,25.29 SWC5.1
  Bottom w0.127: v1(277.78,18.54) 275.32,21 170.03,21 v2(169.07,20.04) ; SWC5.1 77.78,34.79 SWC4.1 78.57,45.08 78.57,55.4 70.68,63.29 SWC3.1 71.22,66.23 71.22,76.36 65.28,82.29 SWC2.1 64.32,83.08 64.32,93.4 56.43,101.29 SWC1.1 54.82,102.08 54.82,119.5 SWC0.1
COLD: length 317.1
  Top w0.15: v1(277.62,19.59) 278.98,18.24 278.98,15.79 279.68,15.09 U5.17
  In1.Cu w0.127: SWD5.1 88.37,24.19 158.28,24.19 160.92,21.54 165.72,21.54 166.72,20.54 v2(168.38,20.54)
  Bottom w0.127: v2(168.38,20.54) 169.11,21.28 275.94,21.28 v1(277.62,19.59) ; SWD5.1 96.78,34.79 SWD4.1 98,45.52 98,55.22 89.93,63.29 SWD3.1 90.32,66.33 90.32,76.65 84.68,82.29 SWD2.1 83.32,83.08 83.32,93.4 75.43,101.29 SWD1.1 73.82,102.08 73.82,119.5 SWD0.1
COLE: length 286.1
  Top w0.15: v1(278.43,19.64) 279.33,18.74 279.33,15.89 279.73,15.49 U5.16
  In1.Cu w0.127: SWE4.1 116.57,43.5 116.57,26.08 SWE5.1 158.48,25.29 159.88,23.89 164.5,23.89 v2(166.75,21.64)
  Bottom w0.127: v2(166.75,21.64) 188.85,21.64 190.92,23.72 274.35,23.72 v1(278.43,19.64) ; SWE0.1 92.82,119.5 92.82,102.08 SWE1.1 94.18,101.29 103,92.47 103,83.77 SWE2.1 103.28,82.29 109.22,76.36 109.22,66.23 SWE3.1 108.68,63.29 116.57,55.4 116.57,45.08 SWE4.1
COLF: length 315.5
  Top w0.127: SWF5.1 302.73,43.28 135.79,43.28 SWF4.1 ; 287.93,7.79 v1(289.28,9.14)
  Top w0.15: 287.93,7.79 285.33,7.79 284.73,8.39 U5.38
  In1.Cu w0.127: SWF4.1 135.67,45.19 135.67,50.99 132.88,53.79 130.97,53.79 128.53,56.24 128.53,59.54 129.28,60.29 129.28,61.29 127.28,63.29 SWF3.1
  Bottom w0.127: SWF3.1 126.07,64.08 126.07,77.78 121.56,82.29 SWF2.1 121.32,83.08 121.32,93.65 113.68,101.29 SWF1.1 111.82,102.08 111.82,119.5 SWF0.1 ; 296.97,21.29 296.97,44 297.68,44.71 303.33,44.71 SWF5.1 ; v1(289.28,9.14) 296.45,16.32
  Bottom w0.15: 296.97,21.29 296.62,20.95 296.62,16.49 296.45,16.32
COLG: length 245.8
  Top w0.15: U5.15 279.93,15.89 279.68,16.14 279.68,19.09 v1(278.38,20.39)
  In1.Cu w0.127: SWG5.1 162.04,26.08 162.04,43.5 SWG4.1
  Bottom w0.127: v1(278.38,20.39) 274.77,24 190.62,24 188.67,22.04 168.07,22.04 166.12,24 162.54,24 SWG5.1 ; SWG0.1 130.82,119.5 130.82,102.08 SWG1.1 139.72,101.29 148,93.01 148,83.3 SWG2.1 148.03,82.29 153,77.32 153,64.55 SWG3.1 154.18,63.29 162.04,55.43 162.04,45.08 SWG4.1
COLH: length 216.1
  Top w0.15: U5.14 281.12,18.54 v1(280.88,18.79)
  Bottom w0.127: v1(280.88,18.79) 275.39,24.28 190.76,24.28 SWH5.1 190.54,26.08 190.54,36.22 182.47,44.29 SWH4.1 181.04,45.08 181.04,55.43 173.18,63.29 SWH3.1 174,66.55 174,76.72 168.43,82.29 SWH2.1 166.79,83.08 166.79,93.18 158.68,101.29 SWH1.1 158,102.8 158,116.14 156.5,117.65 SWH0.1
COLI: length 199.1
  Top w0.127: U5.5 284.73,20.94 281.67,24 267.26,24 266.86,23.6 264.9,23.6 264.51,24 231.47,24 230.18,25.29 SWI5.1
  Bottom w0.127: SWI0.1 176.29,119.5 176.29,102.08 SWI1.1 177.93,101.29 185.79,93.43 185.79,83.08 SWI2.1 186.03,82.29 190.54,77.78 190.54,64.08 SWI3.1 192.18,63.29 200.04,55.43 200.04,45.08 SWI4.1 201.47,44.29 209.54,36.22 209.54,26.08 SWI5.1
COLJ: length 183.3
  Top w0.127: SWJ5.1 233.51,24.28 264.71,24.28 265.03,23.95 266.68,23.95 267.01,24.28 281.94,24.28 285.12,21.09 U5.4
  Bottom w0.127: SWJ5.1 234,26.8 234,33.52 223.22,44.29 SWJ4.1 220,46.05 220,54.22 210.93,63.29 SWJ3.1 212,66.55 212,76.72 206.43,82.29 SWJ2.1 204.79,83.08 204.79,93.18 196.68,101.29 SWJ1.1 195.29,102.08 195.29,107.36 194.78,107.87 194.78,120.01 SWJ0.1
COLK: length 154.7
  Top w0.127: SWK5.1 281.43,25.29 285.53,21.19 U5.3
  Bottom w0.127: SWK5.1 258.68,25.29 239.68,44.29 SWK4.1 238.04,45.08 238.04,55.93 230.68,63.29 SWK3.1 228.54,64.08 228.54,77.78 224.03,82.29 SWK2.1 223.79,83.08 223.79,93.43 215.93,101.29 SWK1.1 214.53,102.32 214.53,119.26 SWK0.1
COLL: length 146.4
  Top w0.127: SWL4.1 v2(277.97,44.29)
  Top w0.15: SWL5.1 284.75,22.47 285.93,21.29 U5.2
  Bottom w0.127: SWL4.1 261.79,45.08 261.79,53.23 251.72,63.29 SWL3.1 249.79,66.33 249.79,76.93 244.43,82.29 SWL2.1 242.79,83.08 242.79,93.18 234.68,101.29 SWL1.1 233.29,102.08 233.29,119.5 SWL0.1 ; v2(277.97,44.29) 277.97,41.8 285.54,34.23 285.54,26.08 SWL5.1
COLM: length 166.4
  Top w0.127: SWM3.1 v2(279.36,63.29) ; SWM4.1 298.68,44.29 v2(298.97,44)
  Top w0.15: v1(289.23,8.19) 288.33,7.29 285.23,7.29 284.33,8.19 U5.37
  Bottom w0.127: SWM3.1 271.29,64.08 271.29,73.97 262.97,82.29 SWM2.1 261.79,83.08 261.79,92.97 253.47,101.29 SWM1.1 252.29,102.08 252.29,119.5 SWM0.1 ; v2(279.36,63.29) 285.54,57.11 285.54,45.08 SWM4.1 ; v2(298.97,44) 298.97,39.8 305,33.77 305,26.55 SWM5.1 303.75,22.71 v1(289.23,8.19)
